# KiCad board DCTransistor_Bidirectional.kicad_pcb (continued)
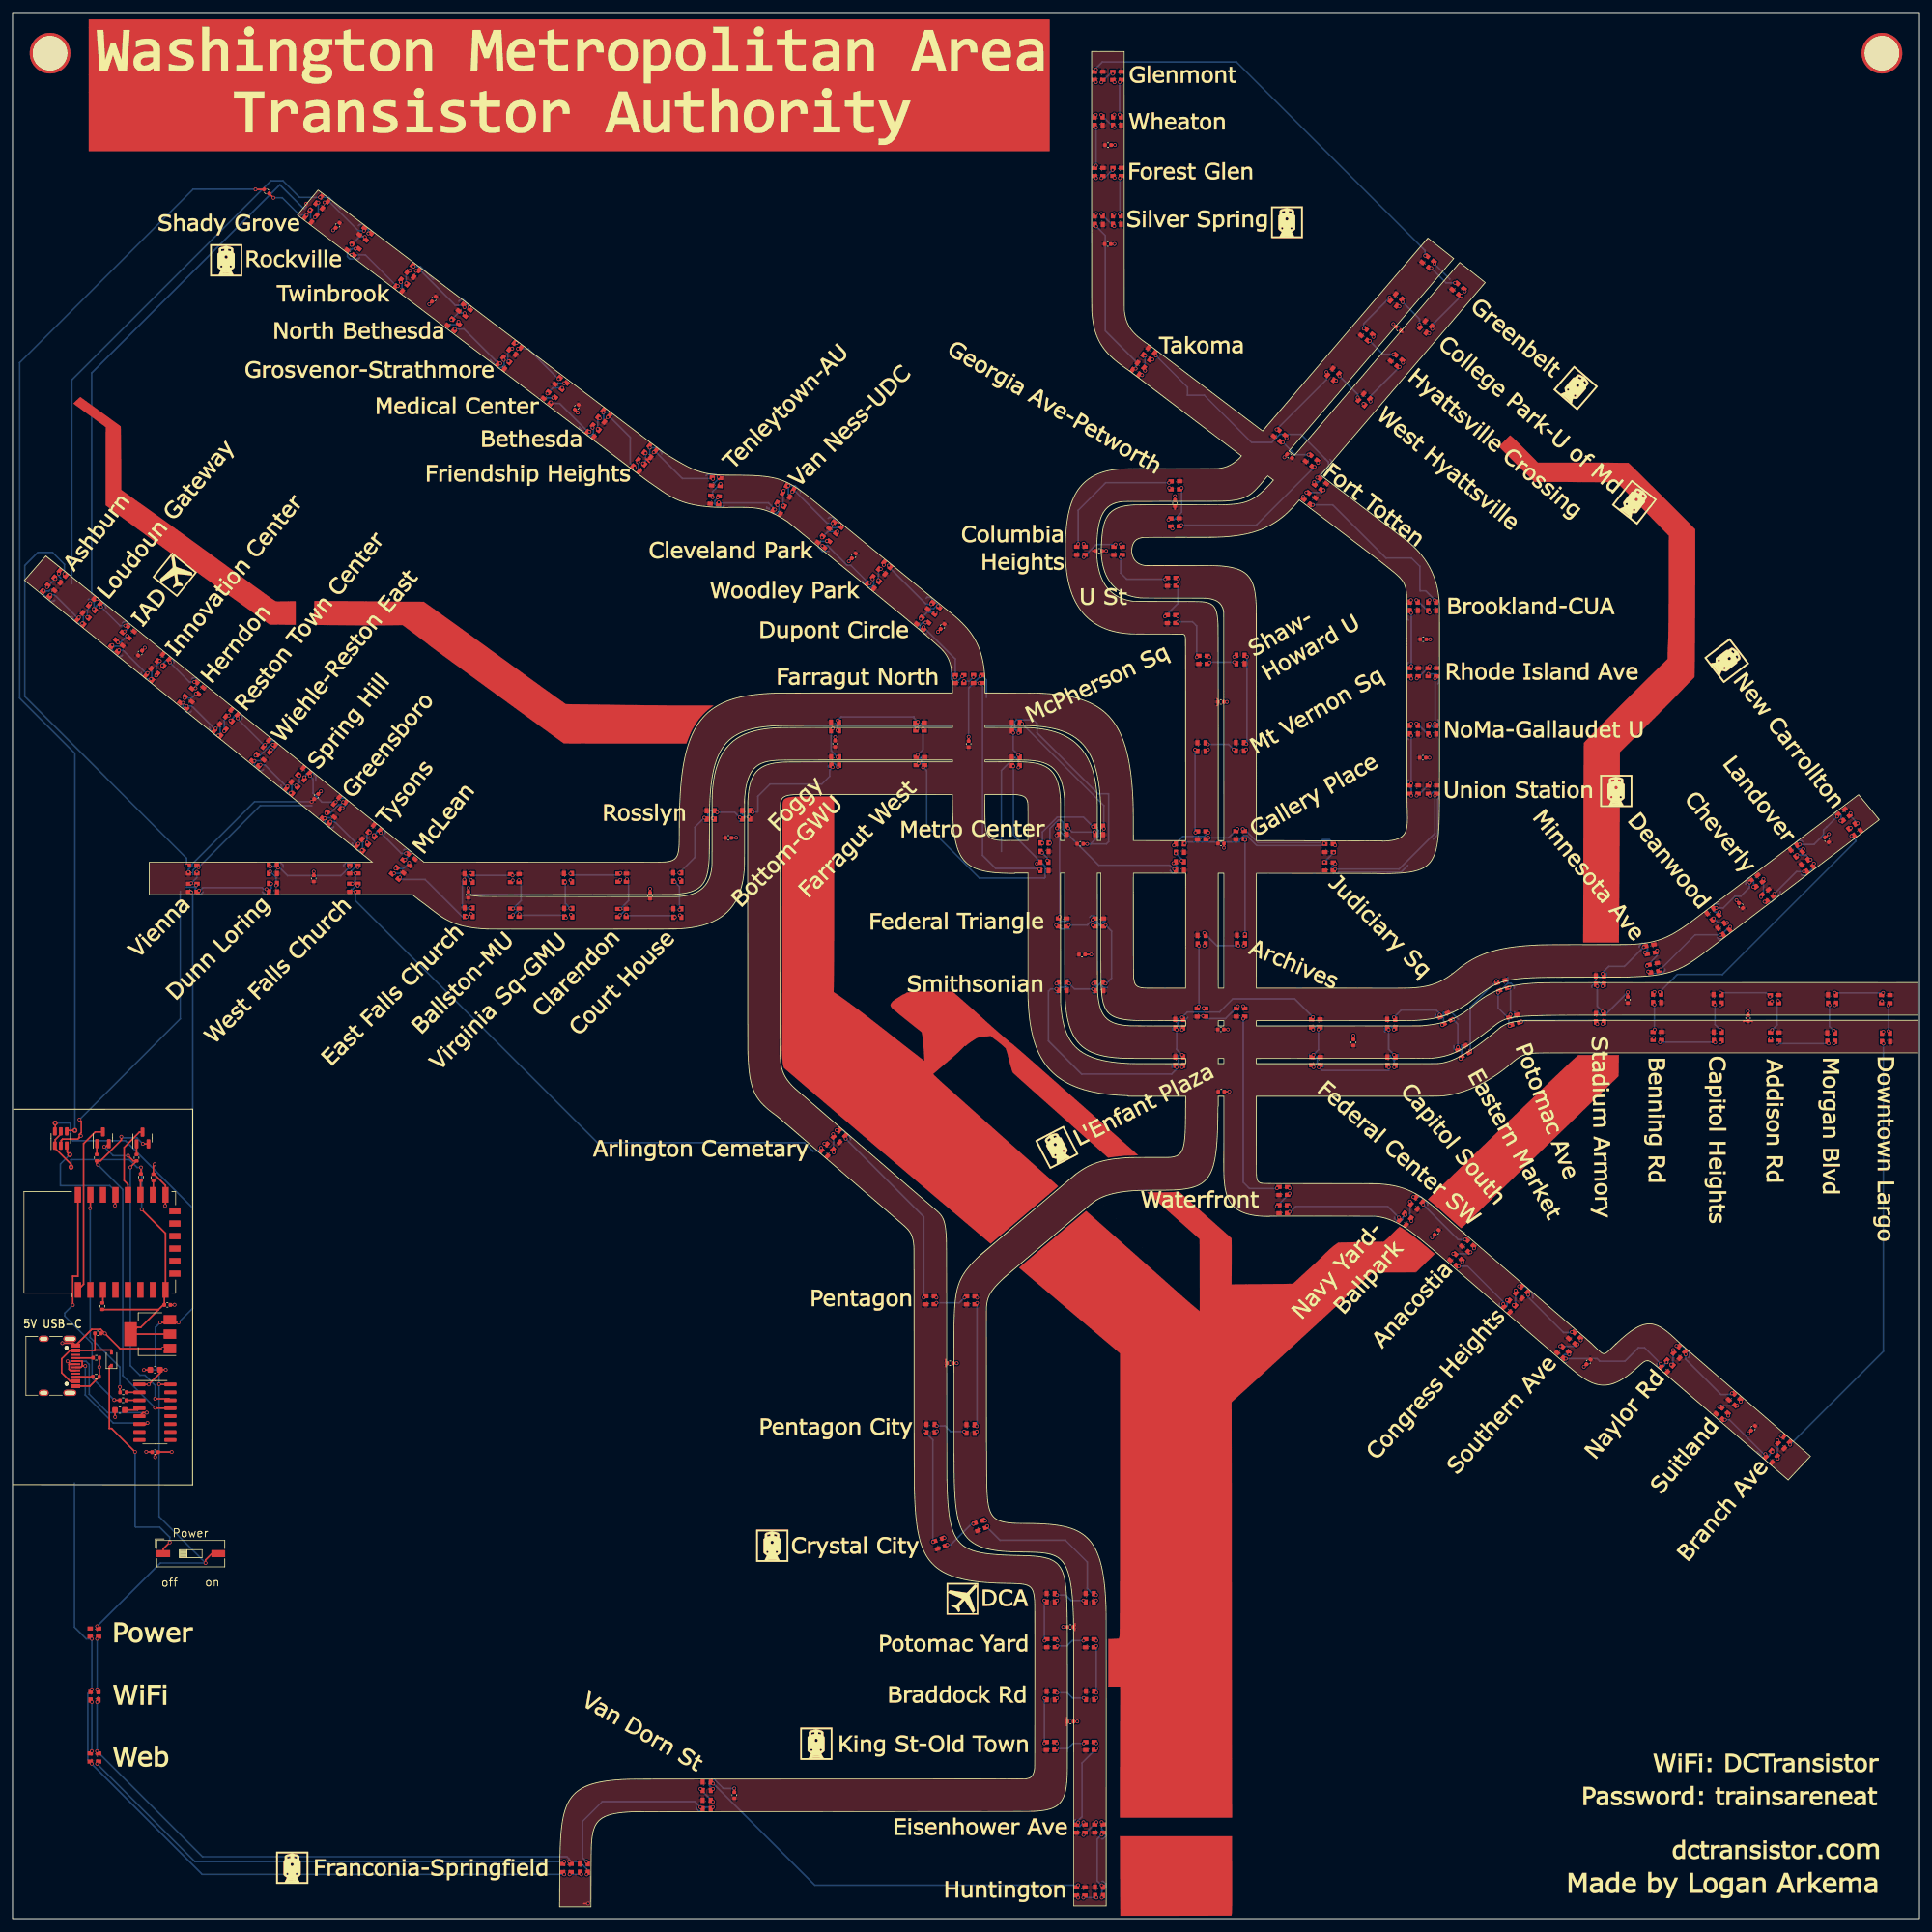
[diagram p0: board, top side]
## Routing (per net, layer and track width the routed paths; a pad name or vN(x,y) marks a point on that pad's centre or on a via; arc(x,y) is an arc through that point) (continued)
VBUS: length 16.6
  Top w0.25: C1.1 13.17,91.03 ; 13.17,91.03 15.78,91.03 15.82,90.99 D0.2 ; 13.17,91.03 13.09,90.95 J0.A4 9.19,90.95 7.86,89.62 7.86,87.38 9.19,86.05 J0.A9
/73-74: length 15.2
  Top w0.25: 196.69,201.83 197.29,201.83 v1(197.3,201.83) ; v1(197.22,187.88) 197.19,187.86 196.6,187.86
  Bottom w0.25: v1(197.3,201.83) 197.3,187.96 v1(197.22,187.88)
/145-146: length 8.5
  Top w0.25: v1(98.1,160.61) 97.94,160.46 97.84,160.46 ; 105.84,160.45 105.87,160.42 v1(105.87,160.21)
  Bottom w0.25: v1(98.1,160.61) 98.25,160.46 105.62,160.46 v1(105.87,160.21)
/DIN: length 7.9
  Top w0.25: v1(41.7,275.19) 41.01,275.88 R8.1
  Bottom w0.25: 46.54,272.43 v1(47.02,272.43) 45.87,272.43 43.12,275.19 v1(41.7,275.19)
/esp-gpio0: length 11.8
  Top w0.25: U2.18 18.45,117.49 17.84,118.1 17.84,123.39 20.3,125.85 Q1.3
/esp-rst: length 27.6
  Top w0.25: Q0.3 13.23,125.88 11.36,124.01 11.36,101.54 U2.1
/GPIO_DATA: length 19.9
  Top w0.25: v2(9.14,122.24) 8.74,122.64 8.74,123.72 ; v1(16.37,114.1) 16.45,114.18 16.45,115.31
  Bottom w0.25: v2(9.14,122.24) 7.66,120.76 7.66,117.3 15.53,117.3 16.37,116.46 v1(16.37,114.1)
/rxd-to-tx: length 37.8
  Top w0.25: R2.2 16.3,82.99 v1(16.26,83.03) ; 10.45,115.31 10.45,102.83 9.63,102.83 9.63,98.22 v1(9.64,98.21)
  Bottom w0.25: v1(9.64,98.21) 8.35,96.92 8.35,96.46 12.71,92.1 12.71,86.58 v1(16.26,83.03)
/txd-to-rx: length 33.1
  Top w0.25: 12.45,115.31 12.45,113.74 v1(12.4,113.69) ; v1(17.16,85.11) 17.16,84.29 R1.2
  Bottom w0.25: v1(12.4,113.69) 12.41,113.68 12.41,93.03 17.16,88.28 v1(17.16,85.11)
Net-(C2-Pad1): length 2.5
  Top w0.25: U0.4 20,81.43 C2.1
Net-(D0-Pad1): length 37.2
  Top w0.25: v1(25.13,60.27) 24.09,59.23 SW0.1 ; 19.6,74.73 v1(19.59,74.74) 15.84,78.49 15.47,78.49 15.47,88.37 15.61,88.51 D0.1
  Bottom w0.25: v1(19.59,74.74) 19.59,62.83 19.72,62.7 23.53,62.7 25.13,61.1 v1(25.13,60.27)
Net-(D2-Pad1): length 3.2
  Top w0.25: 48.64,274.64 49,274.28 ; v1(48.36,272.08) 48.42,272.14 48.42,272.23
  Bottom w0.25: v1(48.36,272.08) 48.87,272.59 v1(48.87,274.41)
Net-(D3-Pad1): length 8.6
  Top w0.25: v1(49.87,274.44) 50.18,274.44 50.2,274.42 ; v1(56.17,269.91) 56.19,269.93 56.21,269.93
  Bottom w0.25: v1(49.87,274.44) 50.76,274.44 55.29,269.91 v1(56.17,269.91)
Net-(D4-Pad1): length 3.1
  Top w0.25: v1(56.31,268.93) 56.35,268.89 56.35,268.73 ; 54.44,267.62 54.22,267.62 v1(54.18,267.66)
  Bottom w0.25: v1(56.31,268.93) 55.44,268.93 v1(54.18,267.66)
Net-(D5-Pad1): length 9.6
  Top w0.25: v1(61.59,261.07) 61.58,261.07 61.58,261.12 ; v1(54.15,266.05) 54.21,266.05
  Bottom w0.25: v1(54.15,266.05) 56.41,266.05 61.39,261.07 v1(61.59,261.07)
Net-(D6-Pad1): length 2.8
  Top w0.25: 63.41,263.39 63.52,263.49 v1(63.52,263.53) ; 62.78,261.26 62.92,261.41 v1(62.92,261.52)
  Bottom w0.25: v1(62.92,261.52) 62.92,262.93 v1(63.52,263.53)
Net-(D7-Pad1): length 11.2
  Top w0.25: 65.14,263.35 64.79,263.35 64.61,263.53 ; 72.16,257.82 72.06,257.82 71.82,258.06
  Bottom w0.25: v1(72.23,257.7) 71.92,258.01 70.76,258.01 65.27,263.5 v1(64.49,263.5)
Net-(D8-Pad1): length 3
  Top w0.25: 72.3,256.62 72.3,256.68 v1(72.25,256.73) ; 70.38,255.49 70.33,255.49 v1(70.15,255.67)
  Bottom w0.25: v1(70.15,255.67) 71.21,256.73 v1(72.25,256.73)
Net-(D10-Pad1): length 2.9
  Top w0.25: 79.7,250.99 79.79,251.07 v1(79.88,251.07) ; v1(79.28,249.04) 79.28,249 79.12,248.83
  Bottom w0.25: v1(79.28,249.04) 79.14,249.18 79.14,250.34 v1(79.88,251.07)
Net-(D10-Pad3): length 9.8
  Top w0.25: 77.92,248.69 77.95,248.69 v1(77.96,248.71) ; 70.52,254.29 70.63,254.29 v1(70.7,254.22)
  Bottom w0.25: v1(70.7,254.22) 72.15,254.22 77.66,248.71 v1(77.96,248.71)
Net-(D11-Pad1): length 9
  Top w0.25: v1(80.78,251.06) 80.82,251.06 80.9,251.13 ; v1(87.29,246.22) 87.45,246.22 87.57,246.11
  Bottom w0.25: v1(80.78,251.06) 82.42,251.06 87.26,246.22 v1(87.29,246.22)
Net-(D12-Pad1): length 3.3
  Top w0.25: 87.71,244.91 87.83,244.8 v1(87.86,244.8) ; 85.75,243.82 85.57,243.82 v1(85.48,243.91)
  Bottom w0.25: v1(87.86,244.8) 86.37,244.8 v1(85.48,243.91)
Net-(D13-Pad1): length 8.4
  Top w0.25: v1(92.22,237.8) 92.22,237.8 92.22,237.84 ; 85.89,242.62 85.93,242.62 v1(86.07,242.49)
  Bottom w0.25: v1(86.07,242.49) 86.23,242.33 87.43,242.33 91.96,237.8 v1(92.22,237.8)
Net-(D14-Pad1): length 2.4
  Top w0.25: 93.91,240.22 93.91,239.99 v1(93.86,239.94) ; 93.42,237.98 93.53,238.1 v1(93.53,238.24)
  Bottom w0.25: v1(93.86,239.94) 93.53,239.61 v1(93.53,238.24)
Net-(D15-Pad1): length 10.6
  Top w0.25: 99.49,232.34 99.49,232.13 v1(99.42,232.06) ; 95.11,240.36 95.11,240.15 v1(95.13,240.12)
  Bottom w0.25: v1(99.42,232.06) 98.74,232.74 98.74,236.89 95.51,240.12 v1(95.13,240.12)
Net-(D16-Pad1): length 2.3
  Top w0.25: 100.69,232.48 100.77,232.57 v1(100.77,232.74) ; 101.29,234.58 101.29,234.45 v1(101.2,234.36)
  Bottom w0.25: v1(100.77,232.74) 101.2,233.17 v1(101.2,234.36)
Net-(D17-Pad1): length 11.6
  Top w0.25: 102.49,234.72 102.48,234.72 v1(102.48,234.51) ; 112.08,230.25 112.07,230.25 v1(111.95,230.25)
  Bottom w0.25: v1(111.95,230.25) 111.89,230.31 107.08,230.31 102.88,234.51 v1(102.48,234.51)
Net-(D18-Pad1): length 3.1
  Top w0.25: v1(113.14,229.48) 113,229.48 112.86,229.35 ; 111.84,227.33 111.84,227.33 v1(111.9,227.33)
  Bottom w0.25: v1(113.14,229.48) 111.9,228.24 v1(111.9,227.33)
Net-(D19-Pad1): length 9.8
  Top w0.25: v1(121.88,225.36) 121.9,225.37 121.9,225.38 ; v1(112.87,226.5) 112.8,226.43 112.62,226.43
  Bottom w0.25: v1(112.87,226.5) 112.95,226.43 120.81,226.43 v1(121.88,225.36)
Net-(D20-Pad1): length 3
  Top w0.25: v1(123.17,225.97) 123.04,225.84 123.04,225.74 ; v1(123.25,228.36) 123.39,228.23 123.39,228.09
  Bottom w0.25: v1(123.25,228.36) 123.17,228.28 v1(123.17,225.97)
Net-(D21-Pad1): length 9.2
  Top w0.25: v1(131.06,223.17) 131.26,223.17 131.4,223.04 ; v1(124.65,228.18) 124.53,228.3 124.53,228.45
  Bottom w0.25: v1(131.06,223.17) 130.21,223.17 125.2,228.18 v1(124.65,228.18)
Net-(D22-Pad1): length 3.4
  Top w0.25: 131.54,221.84 131.56,221.83 v1(131.82,221.83) ; 129.57,220.79 129.48,220.79 v1(129.37,220.9)
  Bottom w0.25: v1(131.82,221.83) 130.3,221.83 v1(129.37,220.9)
Net-(D23-Pad1): length 10.4
  Top w0.25: 129.71,219.59 129.5,219.59 v1(129.45,219.54) ; 136.99,213.62 136.99,213.6 v1(137.02,213.58)
  Bottom w0.25: v1(137.02,213.58) 136.85,213.58 134,216.43 133.42,216.43 130.24,219.6 129.97,219.6 129.91,219.54 v1(129.45,219.54)
Net-(D24-Pad1): length 2.4
  Top w0.25: 138.19,213.76 138.19,213.87 v1(138.4,214.08) ; v1(138.78,215.86) 138.78,215.91 138.77,215.92
  Bottom w0.25: v1(138.78,215.86) 138.4,215.47 v1(138.4,214.08)
Net-(D25-Pad1): length 10.2
  Top w0.25: v1(146.84,210.23) 147.07,210.23 147.15,210.16 ; 139.97,216.06 140.05,216.15 v1(140.05,216.4)
  Bottom w0.25: v1(146.84,210.23) 146.02,210.23 140.05,216.2 v1(140.05,216.4)
Net-(D26-Pad1): length 3.3
  Top w0.25: 145.41,207.79 145.27,207.79 v1(145.17,207.89) ; 147.29,208.96 147.51,208.96 v1(147.54,208.93)
  Bottom w0.25: v1(147.54,208.93) 146.21,208.93 v1(145.17,207.89)
Net-(D27-Pad1): length 10.6
  Top w0.25: v1(150.68,198.52) 150.85,198.69 150.94,198.69 ; v1(145.63,206.56) 145.6,206.59 145.55,206.59
  Bottom w0.25: v1(145.63,206.56) 145.63,206.54 150.68,201.49 v1(150.68,198.52)
Net-(D28-Pad1): length 2.4
  Top w0.25: v1(152.07,197.94) 151.98,197.85 151.79,197.85 ; 153.85,198.71 153.69,198.71 v1(153.58,198.59)
  Bottom w0.25: v1(153.58,198.59) 152.93,197.94 v1(152.07,197.94)
Net-(D29-Pad1): length 38.5
  Top w0.25: v1(154.54,197.61) 154.54,197.69 154.71,197.86 ; 164.56,167.91 164.16,167.91 v1(164.13,167.88)
  Bottom w0.25: v1(164.13,167.88) 164.01,168 157.13,168 155.05,170.08 155.05,197.1 v1(154.54,197.61)
Net-(D30-Pad1): length 2.6
  Top w0.25: v1(165.4,169.26) 165.41,169.26 165.41,168.76 ; v1(164.56,170.51) 164.53,170.55 164.53,170.97
  Bottom w0.25: v1(164.56,170.51) 165.4,169.67 v1(165.4,169.26)
Net-(D31-Pad1): length 27.7
  Top w0.25: v1(165.81,172.06) 165.56,171.81 165.38,171.81 ; 186.16,167.96 186.1,167.89 v1(185.68,167.89)
  Bottom w0.25: v1(185.68,167.89) 185.61,167.89 184.99,168.51 173.61,168.51 167.89,174.23 167.89,175.4 167.55,175.74 167.17,175.74 165.81,174.38 v1(165.81,172.06)
Net-(D32-Pad1): length 2.6
  Top w0.25: 186.16,170.83 185.94,170.6 v1(185.94,170.4) ; v1(186.86,169.21) 187.01,169.05 187.01,168.81
  Bottom w0.25: v1(185.94,170.4) 186.86,169.48 v1(186.86,169.21)
Net-(D33-Pad1): length 24.7
  Top w0.25: 187.01,171.68 187.06,171.68 v1(187.36,171.98) ; 210.01,171.69 209.94,171.69 v1(209.65,171.97)
  Bottom w0.25: v1(209.65,171.97) 209.34,171.66 198.87,171.66 197.34,173.19 196.73,173.19 196.06,172.52 196.06,172.23 187.61,172.23 v1(187.36,171.98)
Net-(D34-Pad1): length 3
  Top w0.25: v1(209.68,169.02) 209.72,169.02 210,168.74 ; 210.87,170.84 v1(211.18,170.52)
  Bottom w0.25: v1(209.68,169.02) v1(211.18,170.52)
Net-(D35-Pad1): length 25.4
  Top w0.25: v1(211.41,167.88) 211.41,167.89 210.85,167.89 ; v1(227.36,179.64) 227.36,180.14 227.38,180.17
  Bottom w0.25: v1(211.41,167.88) 221.62,167.88 227.35,173.61 227.35,179.63 v1(227.36,179.64)
Net-(D36-Pad1): length 4
  Top w0.25: v1(226.54,181.58) 226.53,181.58 226.53,181.02 ; 224.43,180.18 224.43,179.65 v1(224.42,179.64)
  Bottom w0.25: v1(226.54,181.58) 224.6,179.64 v1(224.42,179.64)
Net-(D37-Pad1): length 8.7
  Top w0.25: v1(223.57,181.59) 223.57,181.59 223.57,181.03 ; 223.56,189.75 223.56,189.22 v1(223.56,189.21)
  Bottom w0.25: v1(223.56,189.21) 223.57,189.2 v1(223.57,181.59)
Net-(D38-Pad1): length 4.1
  Top w0.25: 226.5,189.75 226.5,189.17 v1(226.5,189.16) ; 224.41,190.61 224.41,191.16 v1(224.39,191.17)
  Bottom w0.25: v1(226.5,189.16) 224.49,191.17 v1(224.39,191.17)
Net-(D39-Pad1): length 8.4
  Top w0.25: v1(227.35,191.17) 227.34,191.17 227.34,190.6 ; v1(227.37,198.39) 227.37,198.4 227.37,198.94
  Bottom w0.25: v1(227.37,198.39) 227.37,191.19 v1(227.35,191.17)
Net-(D40-Pad1): length 4
  Top w0.25: v1(224.45,198.37) 224.44,198.38 224.44,198.94 ; v1(226.51,200.33) 226.51,200.33 226.51,199.79
  Bottom w0.25: v1(224.45,198.37) 224.55,198.37 v1(226.51,200.33)
Net-(D41-Pad1): length 9.7
  Top w0.25: v1(223.55,208.83) 223.54,208.84 223.54,209.47 ; v1(223.58,200.33) 223.59,200.33 223.59,199.79
  Bottom w0.25: v1(223.55,208.83) 223.58,208.8 v1(223.58,200.33)
Net-(D42-Pad1): length 4
  Top w0.25: v1(226.48,208.89) 226.49,208.9 226.49,209.46 ; v1(224.39,210.88) 224.4,210.88 224.4,210.31
  Bottom w0.25: v1(224.39,210.88) 224.49,210.88 v1(226.48,208.89)
Net-(D43-Pad1): length 29.3
  Top w0.25: v1(207.84,226.1) 207.44,226.5 207.37,226.5 ; v1(227.32,210.86) 227.34,210.85 227.34,210.31
  Bottom w0.25: v1(207.84,226.1) 211.01,226.1 219.51,217.6 223.61,217.6 224.96,216.25 224.96,212.36 225.87,212.36 227.32,210.91 v1(227.32,210.86)
Net-(D44-Pad1): length 4.1
  Top w0.25: 207.23,227.7 207.19,227.7 v1(206.8,228.09) ; v1(209.56,228.46) 209.2,228.82 209.12,228.82
  Bottom w0.25: v1(206.8,228.09) 209.19,228.09 v1(209.56,228.46)
Net-(D45-Pad1): length 41
  Top w0.25: v1(182.75,249.98) 182.39,250.34 182.24,250.34 ; v1(208.52,230.46) 208.96,230.02 208.98,230.02
  Bottom w0.25: v1(208.52,230.46) 210.34,232.28 210.34,232.96 209.85,233.45 209.85,233.46 205.93,237.38 202.56,237.38 201.27,236.09 198.03,236.09 190.49,243.63 187.8,243.63 187.8,244.93 v1(182.75,249.98)
Net-(D46-Pad1): length 3.3
  Top w0.25: v1(181.03,249.95) 181.03,250.13 181.06,250.16 ; 180.54,247.97 180.61,247.97 v1(181.02,247.56)
  Bottom w0.25: v1(181.03,249.95) 181.02,249.94 v1(181.02,247.56)
Net-(D47-Pad1): length 26.1
  Top w0.25: 179.36,247.79 179.42,247.79 v1(179.52,247.89) ; v1(173.2,270.62) 173.19,270.62 173.19,271.19
  Bottom w0.25: v1(173.2,270.62) 174.67,269.15 174.67,253.91 179.52,249.06 v1(179.52,247.89)
Net-(D48-Pad1): length 4
  Top w0.25: 176.09,271.21 176.09,270.67 v1(176.09,270.66) ; v1(174.04,272.59) 174.04,272.59 174.04,272.04
  Bottom w0.25: v1(176.09,270.66) 175.97,270.66 v1(174.04,272.59)
Net-(D49-Pad1): length 6.9
  Top w0.25: 176.94,272.06 176.94,272.61 v1(176.94,272.61) ; 176.99,278.91 176.99,278.36 v1(177,278.34)
  Bottom w0.25: v1(177,278.34) 177,272.67 v1(176.94,272.61)
Net-(D50-Pad1): length 3.2
  Top w0.25: v1(175.82,279.65) 176.03,279.65 176.13,279.75 ; v1(174.05,278.33) 174.03,278.35 174.03,278.88
  Bottom w0.25: v1(175.82,279.65) 174.5,278.33 v1(174.05,278.33)
Net-(D51-Pad1): length 7.3
  Top w0.25: 173.19,279.74 173.19,280.32 v1(173.18,280.33) ; 173.18,287.01 173.18,286.46 v1(173.18,286.45)
  Bottom w0.25: v1(173.18,280.33) v1(173.18,286.45)
Net-(D52-Pad1): length 4
  Top w0.25: v1(174.02,288.45) 174.03,288.44 174.03,287.87 ; 176.1,287.03 176.1,286.5 v1(176.11,286.49)
  Bottom w0.25: v1(174.02,288.45) 175.98,286.49 v1(176.11,286.49)
Net-(D53-Pad1): length 6.4
  Top w0.25: 176.96,287.88 176.96,288.47 v1(176.95,288.47) ; v1(176.98,293.68) 176.97,293.69 176.97,294.25
  Bottom w0.25: v1(176.98,293.68) 176.95,293.65 v1(176.95,288.47)
Net-(D54-Pad1): length 3.3
  Top w0.25: v1(175.85,295.01) 176.02,295.01 176.12,295.11 ; v1(174.04,293.64) 174.03,293.66 174.03,294.25
  Bottom w0.25: v1(175.85,295.01) 175.41,295.01 v1(174.04,293.64)
Net-(D55-Pad1): length 67.7
  Top w0.25: 226.2,265.53 226.18,265.53 v1(225.78,265.93) ; 173.18,295.11 173.18,295.67 v1(173.17,295.67)
  Bottom w0.25: v1(225.78,265.93) 225.78,266.74 195.62,296.9 174.19,296.9 173.17,295.88 v1(173.17,295.67)
Net-(D56-Pad1): length 6
  Top w0.25: 226.32,264.33 226.39,264.33 v1(226.76,263.96) ; 231,261.18 230.96,261.18 v1(230.55,261.59)
  Bottom w0.25: v1(226.76,263.96) 229.13,261.59 v1(230.55,261.59)
Net-(D57-Pad1): length 8.5
  Top w0.25: 231.12,259.98 231.17,259.98 v1(231.6,259.55) ; v1(226.93,254.23) 226.55,254.61 226.49,254.61
  Bottom w0.25: v1(231.6,259.55) 227.17,255.12 227.14,255.12 226.93,254.91 v1(226.93,254.23)
Net-(D58-Pad1): length 5.9
  Top w0.25: v1(222.18,258.53) 221.8,258.91 221.75,258.91 ; v1(224.88,254.92) 225.29,254.51 225.29,254.49
  Bottom w0.25: v1(224.88,254.92) 224.88,255.83 v1(222.18,258.53)
Net-(D59-Pad1): length 7.9
  Top w0.25: v1(215.97,254.28) 216.37,253.88 216.4,253.88 ; v1(220.11,259.22) 220.54,258.79 220.55,258.79
  Bottom w0.25: v1(220.11,259.22) 215.97,255.08 v1(215.97,254.28)
Net-(D60-Pad1): length 5.8
  Top w0.25: 221.15,249.78 221.11,249.78 v1(220.72,250.17) ; 216.52,252.68 216.56,252.68 v1(216.93,252.31)
  Bottom w0.25: v1(220.72,250.17) 219.07,250.17 v1(216.93,252.31)
Net-(D61-Pad1): length 8.6
  Top w0.25: v1(221.71,248.16) 221.29,248.58 221.27,248.58 ; 216.64,243 216.68,243 v1(217.05,242.63)
  Bottom w0.25: v1(221.71,248.16) 217.05,243.5 v1(217.05,242.63)
Net-(D62-Pad1): length 5.8
  Top w0.25: v1(212.1,246.68) 211.76,247.02 211.68,247.02 ; 215.44,242.88 215.39,242.88 v1(215,243.27)
  Bottom w0.25: v1(212.1,246.68) 215,243.78 v1(215,243.27)
Net-(D63-Pad1): length 13.7
  Top w0.25: 202.46,237.74 202.45,237.74 v1(202.04,238.15) ; 210.48,246.9 210.44,246.9 v1(210.02,247.32)
  Bottom w0.25: v1(202.04,238.15) 210.02,246.13 v1(210.02,247.32)
Net-(D64-Pad1): length 6.1
  Top w0.25: 202.58,236.54 202.61,236.54 v1(203.04,236.11) ; 207.56,233.75 207.54,233.75 v1(207.15,234.14)
  Bottom w0.25: v1(207.15,234.14) 205.01,234.14 v1(203.04,236.11)
Net-(D65-Pad1): length 26.3
  Top w0.25: 186.24,222.88 186.82,222.88 v1(186.84,222.87) ; v1(208.11,232.17) 207.73,232.55 207.68,232.55
  Bottom w0.25: v1(186.84,222.87) 198.81,222.87 v1(208.11,232.17)
Net-(D66-Pad1): length 7.7
  Top w0.25: 186.28,228.81 186.87,228.81 v1(186.87,228.81) ; v1(184.76,223.72) 184.78,223.74 185.38,223.74
  Bottom w0.25: v1(186.87,228.81) 186.87,224.94 185.65,223.72 v1(184.76,223.72)
Net-(D67-Pad1): length 23
  Top w0.25: v1(170.34,219.85) 170.34,219.85 170.34,219.19 ; v1(184.86,229.65) 184.87,229.66 185.44,229.66
  Bottom w0.25: v1(170.34,219.85) 170.34,225.25 174.74,229.65 v1(184.86,229.65)
Net-(D68-Pad1): length 7.1
  Top w0.25: v1(176.28,219.77) 176.28,219.77 176.28,219.19 ; 171.19,218.35 171.19,217.8 v1(171.21,217.78)
  Bottom w0.25: v1(171.21,217.78) 173.2,219.77 v1(176.28,219.77)
Net-(D69-Pad1): length 11.3
  Top w0.25: 177.13,218.34 177.13,217.78 v1(177.13,217.77) ; 184.87,214.24 184.25,214.24 v1(184.25,214.23)
  Bottom w0.25: v1(184.25,214.23) 178.09,214.23 177.13,215.19 v1(177.13,217.77)
Net-(D70-Pad1): length 7.2
  Top w0.25: 184.84,208.29 184.21,208.29 v1(184.2,208.28) ; 185.72,213.38 186.26,213.38 v1(186.27,213.38)
  Bottom w0.25: v1(184.2,208.28) 186.27,210.35 v1(186.27,213.38)
Net-(D71-Pad1): length 9.5
  Top w0.25: 185.69,207.44 186.26,207.44 v1(186.27,207.43) ; 189.87,201.77 189.28,201.77 v1(189.27,201.76)
  Bottom w0.25: v1(186.27,207.43) 188.59,207.43 189.27,206.75 v1(189.27,201.76)
Net-(D72-Pad1): length 5.2
  Top w0.25: v1(191.34,200.92) 191.34,200.92 190.72,200.92 ; v1(195.27,200.97) 195.28,200.98 195.84,200.98
  Bottom w0.25: v1(195.27,200.97) 191.39,200.97 v1(191.34,200.92)
Net-(D74-Pad1): length 5.6
  Top w0.25: v1(195.17,187.01) 195.18,187 195.75,187 ; v1(191.06,187.83) 191.06,187.83 190.47,187.83
  Bottom w0.25: v1(195.17,187.01) 194.35,187.83 v1(191.06,187.83)
Net-(D75-Pad1): length 14.5
  Top w0.25: v1(189,186.97) 189,186.98 189.62,186.98 ; v1(189.07,173.73) 189.07,173.73 189.66,173.73
  Bottom w0.25: v1(189,186.97) 189,173.8 v1(189.07,173.73)
Net-(D76-Pad1): length 6.4
  Top w0.25: v1(195.78,174.31) 195.78,174.31 195.78,173.75 ; 190.5,172.88 191.15,172.88 v1(191.16,172.89)
  Bottom w0.25: v1(191.16,172.89) 194.36,172.89 v1(195.78,174.31)
Net-(D77-Pad1): length 16.1
  Top w0.25: v1(196.99,172.57) 196.66,172.9 196.63,172.9 ; 196.78,157.06 196.97,157.25 v1(196.97,157.47)
  Bottom w0.25: v1(196.97,157.47) 196.99,157.49 v1(196.99,172.57)
Net-(D78-Pad1): length 7.5
  Top w0.25: v1(195.94,155.66) 195.94,155.67 195.94,156.22 ; v1(190.49,157.66) 190.49,157.66 190.49,157.04
  Bottom w0.25: v1(195.94,155.66) 192.49,155.66 v1(190.49,157.66)
Net-(D79-Pad1): length 10.8
  Top w0.25: 189.6,145.4 189.6,145.94 v1(189.6,145.94) ; v1(189.64,155.63) 189.63,155.64 189.63,156.19
  Bottom w0.25: v1(189.6,145.94) 189.64,145.98 v1(189.64,155.63)
Net-(D80-Pad1): length 7.4
  Top w0.25: 195.86,145.4 195.86,145.96 v1(195.85,145.97) ; v1(190.28,144.42) 190.33,144.42 190.46,144.55
  Bottom w0.25: v1(190.28,144.42) 190.71,143.99 193.87,143.99 v1(195.85,145.97)
Net-(D81-Pad1): length 33.1
  Top w0.25: 202.69,116.89 202.1,116.89 v1(202.1,116.89) ; 196.71,144.55 v1(196.71,143.99)
  Bottom w0.25: v1(196.71,143.99) 196.71,117.83 197.7,116.84 202.05,116.84 v1(202.1,116.89)
Net-(D82-Pad1): length 4.1
  Top w0.25: 203.53,116.04 204.12,116.04 v1(204.12,116.04) ; v1(202.08,113.97) 202.09,113.97 202.68,113.97
  Bottom w0.25: v1(202.08,113.97) 202.08,114 v1(204.12,116.04)
Net-(D83-Pad1): length 19.7
  Top w0.25: 222.01,111.85 221.93,111.85 v1(221.59,112.19) ; 203.53,113.12 204.1,113.12 v1(204.11,113.11)
  Bottom w0.25: v1(221.59,112.19) 219.81,113.97 205.11,113.97 204.25,113.11 v1(204.11,113.11)
Net-(D84-Pad1): length 4.4
  Top w0.25: v1(223.61,111.64) 223.22,112.03 223.19,112.03 ; 223.83,114.4 223.7,114.4 v1(223.36,114.74)
  Bottom w0.25: v1(223.36,114.74) 223.36,111.89 v1(223.61,111.64)
Net-(D85-Pad1): length 10.2
  Top w0.25: v1(225.48,114.25) 225.15,114.58 225.01,114.58 ; v1(232.16,108.67) 232.55,108.28 232.55,108.25
  Bottom w0.25: v1(225.48,114.25) 231.06,108.67 v1(232.16,108.67)
Net-(D86-Pad1): length 4
  Top w0.25: 232.63,107.05 232.64,107.05 v1(233.05,106.64) ; v1(230.28,106.4) 230.66,106.02 230.67,106.02
  Bottom w0.25: v1(230.28,106.4) 232.81,106.4 v1(233.05,106.64)
Net-(D87-Pad1): length 11
  Top w0.25: v1(238.27,98.37) 238.68,97.96 238.69,97.96 ; 230.75,104.82 230.75,104.82 v1(231.16,104.41)
  Bottom w0.25: v1(231.16,104.41) 232.57,104.41 238.27,98.71 v1(238.27,98.37)
Net-(D88-Pad1): length 3.2
  Top w0.25: v1(240.23,100.54) 240.6,100.17 240.62,100.17 ; 239.89,98.04 239.94,98.09 v1(239.94,98.21)
  Bottom w0.25: v1(240.23,100.54) 240.23,98.5 v1(239.94,98.21)
Net-(D89-Pad1): length 10.9
  Top w0.25: 241.82,100.25 241.83,100.25 v1(242.24,99.84) ; v1(249.23,93.9) 249.62,93.51 249.64,93.51
  Bottom w0.25: v1(242.24,99.84) 242.24,99.48 247.91,93.81 249.14,93.81 v1(249.23,93.9)
Net-(D90-Pad1): length 4
  Top w0.25: 247.77,91.26 247.75,91.26 v1(247.38,91.63) ; v1(250.13,91.93) 249.75,92.31 249.72,92.31
  Bottom w0.25: v1(250.13,91.93) 249.83,91.63 v1(247.38,91.63)
Net-(D91-Pad1): length 18.5
  Top w0.25: v1(263.43,88.83) 263.84,88.42 263.84,88.41 ; 247.85,90.06 247.85,90.06 v1(248.27,89.64)
  Bottom w0.25: v1(263.43,88.83) 260.87,91.39 259.87,91.39 257.72,89.24 253.69,89.24 253.29,89.64 v1(248.27,89.64)
Net-(D92-Pad1): length 3.2
  Top w0.25: 265.04,88.49 265.11,88.56 v1(265.11,88.69) ; v1(265.41,91.02) 265.81,90.62 265.81,90.62
  Bottom w0.25: v1(265.41,91.02) 265.41,88.99 v1(265.11,88.69)
Net-(D93-Pad1): length 11.7
  Top w0.25: v1(274.8,84.1) 275.19,83.71 275.2,83.71 ; 267.01,90.7 267.02,90.7 v1(267.41,90.31)
  Bottom w0.25: v1(274.8,84.1) 274.62,83.92 273.05,83.92 267.41,89.56 v1(267.41,90.31)
Net-(D94-Pad1): length 4.2
  Top w0.25: v1(272.76,81.91) 273.18,81.49 273.2,81.49 ; 275.28,82.51 275.28,82.5 v1(275.67,82.11)
  Bottom w0.25: v1(275.67,82.11) 272.96,82.11 v1(272.76,81.91)
Net-(D95-Pad1): length 9.9
  Top w0.25: 273.28,80.29 273.29,80.29 v1(273.7,79.88) ; 280.56,73.96 280.56,73.99 v1(280.16,74.39)
  Bottom w0.25: v1(273.7,79.88) 274.42,79.88 279.91,74.39 v1(280.16,74.39)
Net-(D96-Pad1): length 4.1
  Top w0.25: v1(282.11,76.59) 282.5,76.2 282.52,76.2 ; v1(282.15,73.65) 281.76,74.04 281.76,74.04
  Bottom w0.25: v1(282.11,76.59) 282.11,73.69 v1(282.15,73.65)
Net-(D97-Pad1): length 71.4
  Top w0.25: v1(299.03,140) 299.02,140.01 299.02,140.56 ; 283.72,76.28 283.73,76.28 v1(284.12,75.89)
  Bottom w0.25: v1(284.12,75.89) 299.03,90.8 v1(299.03,140)
Net-(D98-Pad1): length 5.3
  Top w0.25: 299.88,141.42 299.88,141.99 v1(299.87,141.99) ; 299.82,146.68 299.82,146.11 v1(299.83,146.1)
  Bottom w0.25: v1(299.83,146.1) 299.87,146.06 v1(299.87,141.99)
Net-(D100-Pad1): length 5.5
  Top w0.25: 291.13,141.46 291.13,142.04 v1(291.13,142.04) ; v1(290.41,146.15) 290.4,146.16 290.4,146.7
  Bottom w0.25: v1(290.41,146.15) 290.41,142.76 v1(291.13,142.04)
Net-(D100-Pad3): length 8.9
  Top w0.25: v1(291.26,148.12) 291.25,148.12 291.25,147.55 ; v1(298.98,148.11) 298.98,148.11 298.98,147.53
  Bottom w0.25: v1(298.98,148.11) 291.27,148.11 v1(291.26,148.12)
Net-(D101-Pad1): length 9.4
  Top w0.25: v1(282.09,140.12) 282.08,140.12 282.08,140.71 ; v1(290.28,140.01) 290.29,140.02 290.29,140.61
  Bottom w0.25: v1(282.09,140.12) 282.2,140.01 v1(290.28,140.01)
Net-(D102-Pad1): length 5.9
  Top w0.25: 281.24,141.56 281.24,142.16 v1(281.23,142.16) ; 282.05,146.68 282.19,146.82 v1(282.2,146.82)
  Bottom w0.25: v1(281.23,142.16) 282.04,142.97 282.04,146.66 v1(282.2,146.82)
Net-(D103-Pad1): length 9.1
  Top w0.25: v1(272.96,148.13) 272.96,148.12 272.96,147.56 ; v1(280.9,147.51) 281.18,147.51 281.19,147.53
  Bottom w0.25: v1(280.9,147.51) 280.29,148.12 272.97,148.12 v1(272.96,148.13)
Net-(D104-Pad1): length 5.5
  Top w0.25: v1(272.99,142.18) 273,142.18 273,141.59 ; v1(272.11,146.19) 272.12,146.2 272.12,146.72
  Bottom w0.25: v1(272.11,146.19) 272.11,143.06 v1(272.99,142.18)
Net-(D105-Pad1): length 10
  Top w0.25: v1(263.33,140.23) 263.32,140.24 263.32,140.79 ; v1(272.14,140.18) 272.14,140.19 272.14,140.75
  Bottom w0.25: v1(272.14,140.18) 272.09,140.23 v1(263.33,140.23)